# Allegro board HI3516ADMEB_VER_C_PCB.brd (continued)
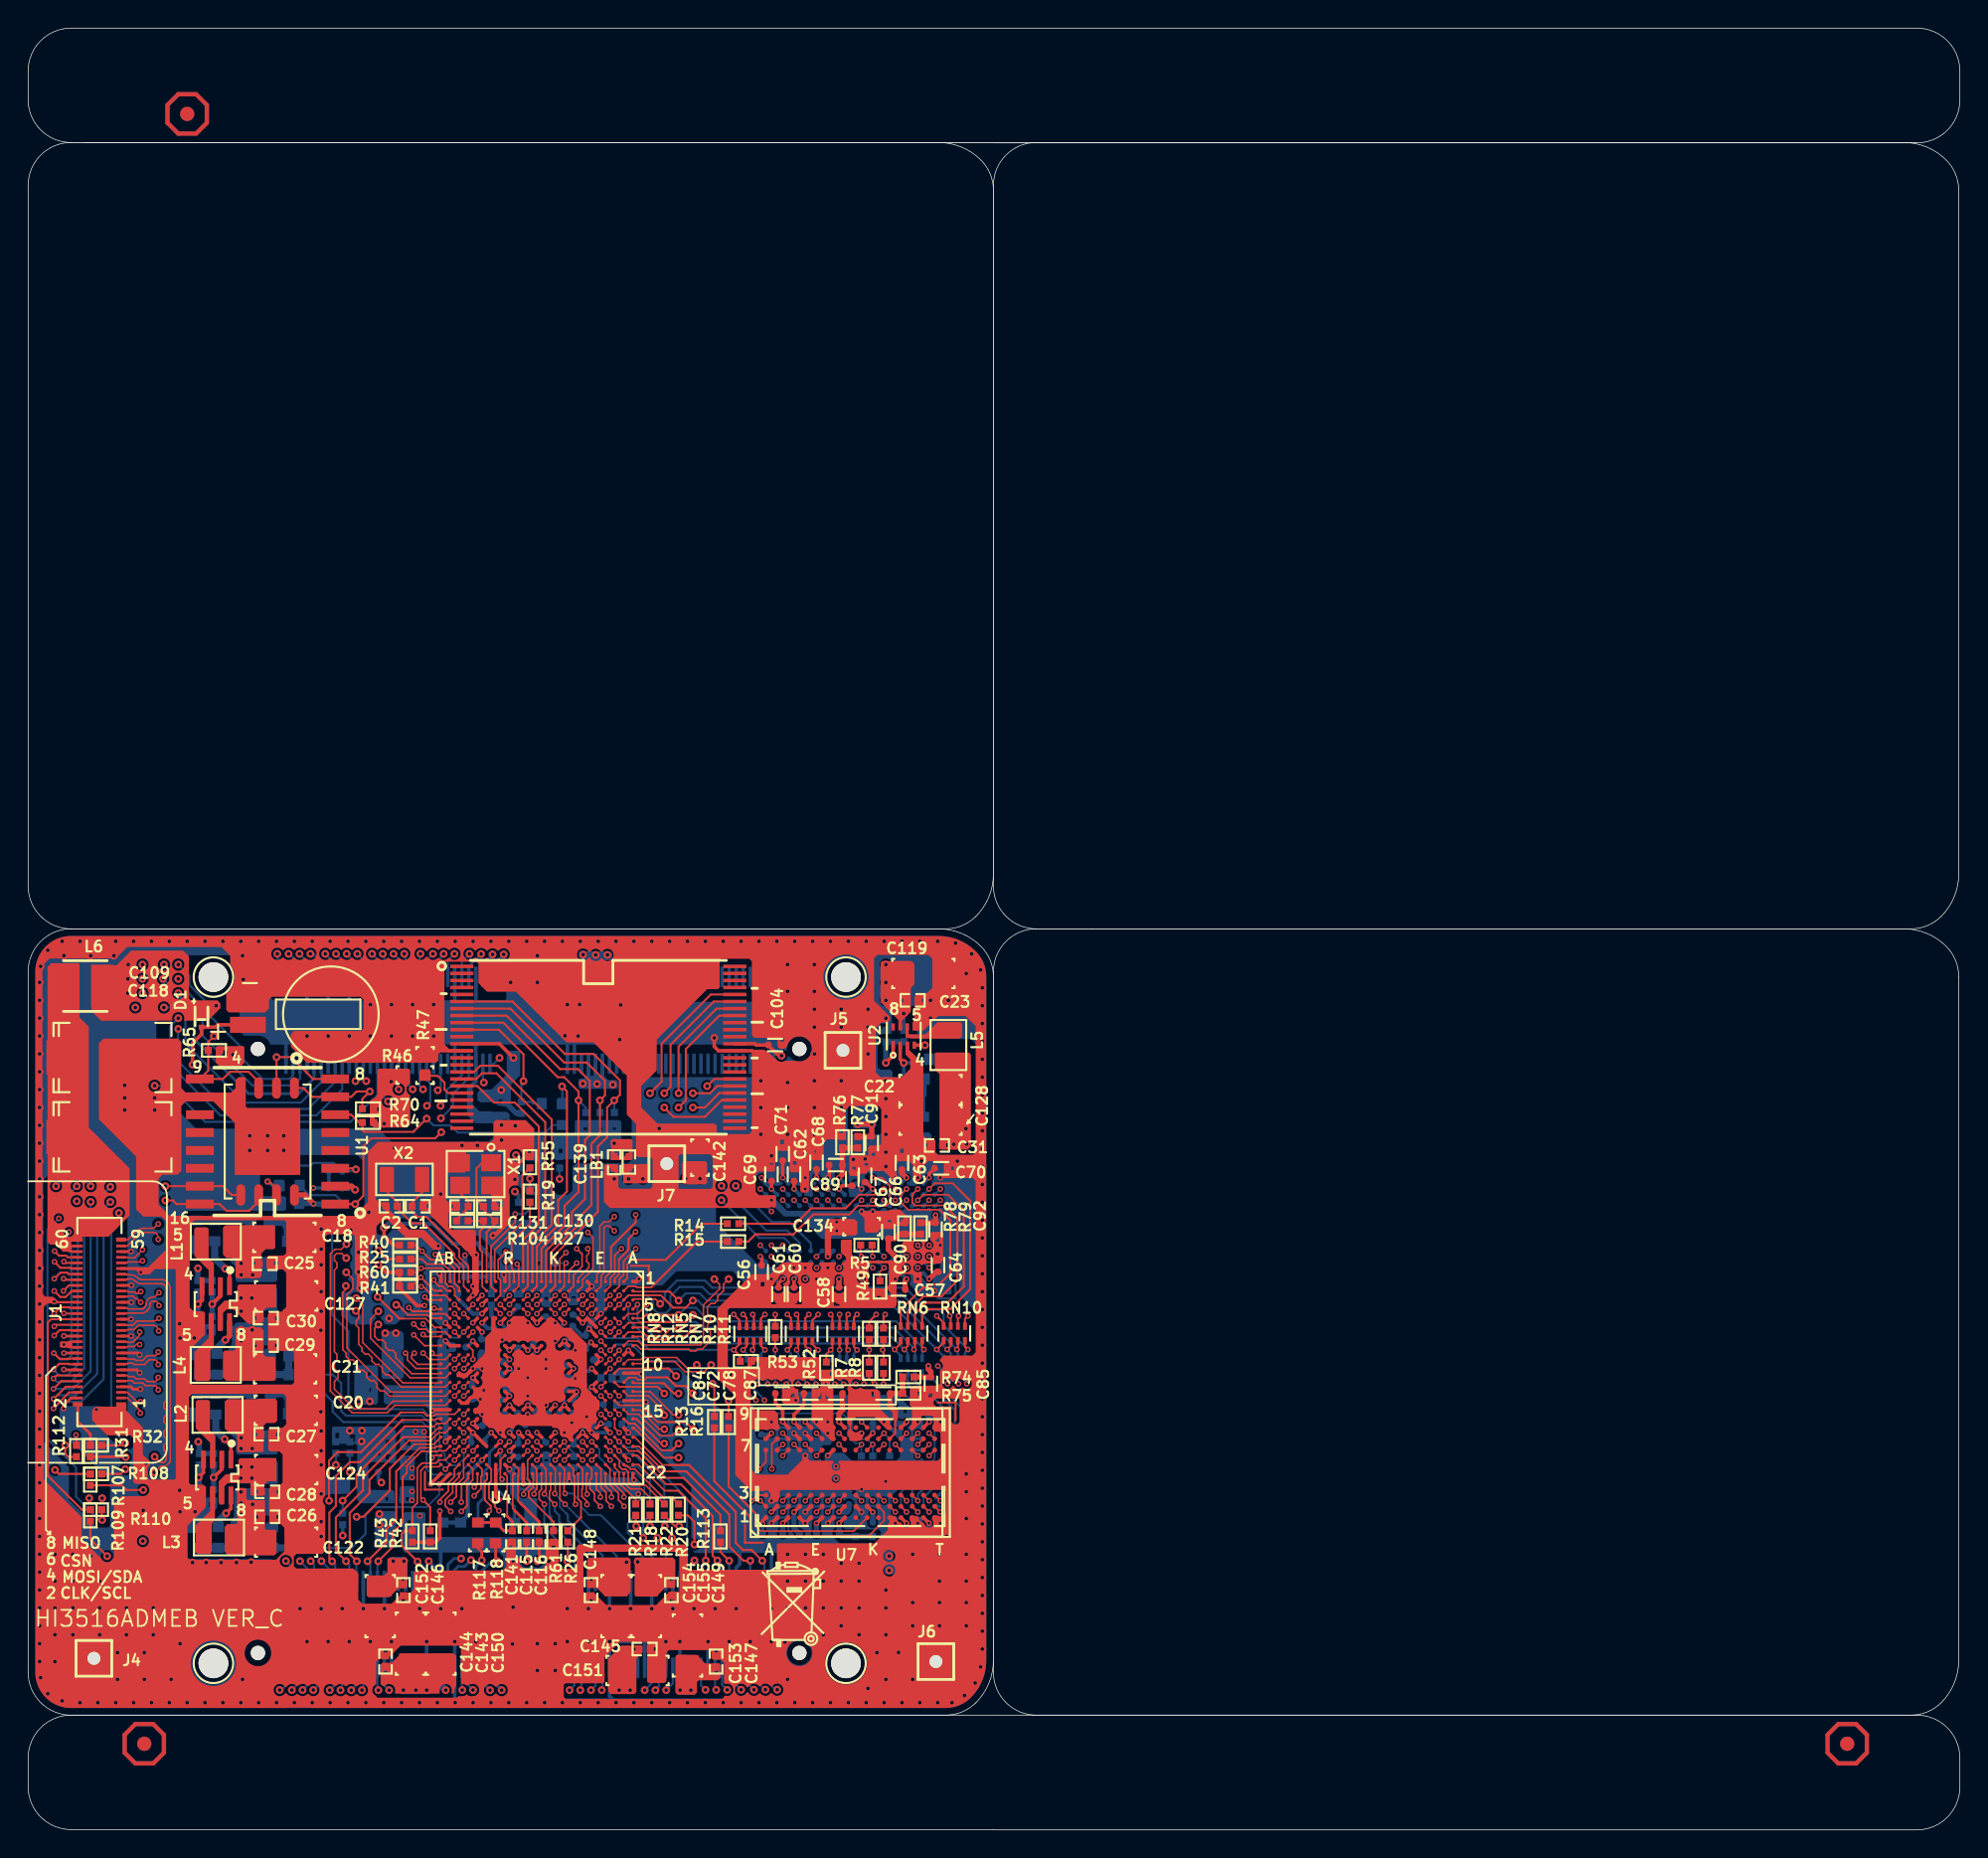
[diagram p0: board, top side]
## Routing (per net, layer and track width the routed paths; a pad name or vN(x,y) marks a point on that pad's centre or on a via; arc(x,y) is an arc through that point)
1V1_CPU_CORE: length 2.6
  TOP w0.254: U4.P8 v2(34.21,34.08) U4.R8 ; U4.R9 v2(34.21,33.43)
  BOTTOM w0.254: v2(34.21,33.43) 34.05,33.27 C13.1 ; C41.1 34.38,34.25 v2(34.21,34.08)
  vias: v1(15.14,35.53) v1(15.14,34.76) v1(15.93,35.53)
1V1_DDR_CORE: length 3.9
  TOP w0.254: U4.H10 v2(38.76,32.78) U4.H11 ; U4.H8 v2(38.11,34.73) U4.J8
  BOTTOM w0.254: C11.1 38.31,34.31 38.11,34.51 v2(38.11,34.73) 38.24,34.86 C39.1 ; C40.1 38.52,33.02 v2(38.76,32.78)
  vias: v1(15.14,40.26) v1(15.14,39.44) v1(15.95,39.44)
1V1_MEDIA_CORE: length 8.3
  TOP w0.254: U4.M15 v2(35.51,30.18) U4.N15 ; U4.J15 v2(38.11,30.18) U4.H15 ; U4.R13 v2(34.21,30.83) U4.R14
  BOTTOM w0.254: C10.1 33.64,30.55 33.93,30.55 v2(34.21,30.83) 34.21,31.15 C37.1 ; C38.1 37.81,29.88 v2(38.11,30.18) 38.11,30.47 37.59,30.99 C106.1 36.69,30.99 36.6,30.9 C46.1 36.16,30.83 v2(35.51,30.18)
  vias: v1(15.13,24.01) v1(15.13,23.23) v1(15.13,22.41) v1(15.95,23.14) v1(24.97,22.45) v1(24.97,21.69)
1V1_VDD_CORE: length 11.7
  TOP w0.254: v2(37.46,30.18) U4.K15 ; U4.M8 v2(36.16,34.08) U4.L8 ; U4.N8 v2(35.51,34.08) ; U4.R15 v2(34.21,30.18) U4.P15 ; U4.H13 38.82,31.16 38.84,31.14 v2(38.99,31.14) 38.91,31.06 38.91,30.98 U4.H14 ; U4.R10 v2(34.21,32.78) U4.R11
  BOTTOM w0.254: v2(36.16,34.08) 35.88,33.8 C36.1 ; C34.1 33.86,29.83 v2(34.21,30.18) 34.77,29.62 C33.1 ; v2(35.51,34.08) 35.9,34.48 C8.1 ; C9.1 33.81,32.39 v2(34.21,32.78) 34.74,32.25 C35.1 ; C7.1 38.87,31.26 v2(38.99,31.14) 38.99,31.14 38.99,30.82 38.95,30.82 C117.1 ; v2(37.46,30.18) 36.98,29.71 C47.1
  vias: v1(15.14,27.86) v1(15.14,27.1) v1(15.93,27.1) v1(23.49,30.43) v1(24.28,30.45)
1V5_1V35_DDRIO: length 77.7
  TOP w0.254: U7.K8 v2(60.03,28.19) ; v2(53.63,46.35) C71.1 ; C84.1 53.11,30.33 53.63,29.81 v2(53.63,28.99) U7.C9 ; v2(52.2,21.74) 52.2,21.96 U7.A1 ; C62.1 54.43,45.55 v2(54.43,45.55) ; v2(57.63,45.55) 57.87,45.78 C67.1 ; C61.1 53.33,38.84 v2(53.63,39.15) ; U7.F1 v2(56.03,21.79) ; U7.N1 v2(62.43,21.79) ; U7.R9 v2(64.03,28.99) ; U7.N9 v2(62.43,28.99) ; U7.C1 v2(53.63,21.79) ; U4.E6 40.31,35.78 40.31,35.8 40.04,36.07 40.03,36.07 U4.F5 v2(39.41,36.03) U4.G5 ; U7.D9 v2(54.43,28.99) 54.43,29.51 55.14,30.22 C72.1 ; U7.R1 v2(64.03,21.79) ; v2(52.03,40.75) 52.13,40.64 C56.1 ; U7.H2 v2(57.63,22.59) ; U7.K2 v2(60.03,22.59) ; U4.E9 v2(40.71,33.43) U4.E10 ; U7.D2 v2(54.43,22.59) ; U2.4 v1(63.74,55.76) ; v2(52.83,28.19) 52.43,27.79 U7.A8 ; v2(60.03,45.55) 59.54,46.03 C66.1 ; v2(56.03,46.35) C68.1 ; C70.1 64.03,46.62 v2(64.03,46.35) ; U7.E9 v2(55.23,28.99) ; C69.1 v2(52.83,45.55) ; C60.1 v2(54.43,39.15) ; U7.G7 v2(56.83,26.59) ; U7.H9 v2(57.63,28.99) ; U4.E12 v2(40.06,31.48) U4.E13 ; U7.B2 v2(52.83,22.59)
  TOP w0.381: C64.1 64.54,39.66 v2(64.03,39.15) ; v2(62.43,39.15) 62.33,39.05 C57.1 ; R74.1 C85.1 64.16,32.56 63.98,32.74 v2(63.98,32.97) ; v2(57.63,28.99) 57.63,29.59 57.87,29.83 C78.1 ; v1(58.95,50.15) v1(59.96,50.15) C91.1 R77.1 ; R79.1 63.93,43.15 63.94,43.14 C92.1 v2(64.49,43.69) ; v2(62.43,46.35) 62.1,46.67 C63.1 ; C58.1 v2(57.63,39.15)
  ART06 w0.254: v1(65.79,48.71) 63.74,50.76 v1(63.74,55.76)
  BOTTOM w0.254: U8.R9 v2(64.03,39.15) ; U8.K2 v2(60.03,45.55) ; C52.1 40.64,30.23 40.01,30.85 C51.1 39.71,31.14 v2(40.06,31.48) 40.71,32.13 C108.1 ; U8.N9 v2(62.43,39.15) ; C43.1 40.68,33.4 v2(40.71,33.43) ; U8.H9 v2(57.63,39.15) ; U8.C1 v2(53.63,46.35) ; C75.1 52.74,28.1 v2(52.83,28.19) ; U8.D9 v2(54.43,39.15) ; U8.C9 v2(53.63,39.15) ; U8.R1 v2(64.03,46.35) ; C42.1 38.83,36.61 v2(39.41,36.03) ; U8.E9 v2(55.23,39.15) ; C65.1 v2(52.2,21.74) ; U8.F1 v2(56.03,46.35) ; U8.N1 v2(62.43,46.35) ; U8.D2 v2(54.43,45.55) ; U8.A8 v2(52.03,40.75) ; U8.K8 v2(60.03,39.95) ; v1(65.79,48.71) 65.51,48.99 R28.2 ; U8.H2 v2(57.63,45.55) ; v2(52.12,46.35) 52.12,46.25 U8.A1 v2(52.83,45.55) U8.B2 ; U8.G7 v2(56.83,40.75)
  BOTTOM w0.381: C83.1 v2(60.03,28.19) ; v2(57.63,22.59) 58.19,22.59 58.33,22.73 C74.1 ; C77.1 54.43,21.46 v2(54.43,22.59) ; C73.1 62.43,21.18 v2(62.43,21.79) ; C80.1 v2(64.03,21.79) ; C81.1 v2(56.03,21.79) ; v2(62.43,28.99) 62.31,28.86 C79.1 ; C76.1 64.03,29.35 v2(64.03,28.99) ; C59.1 v2(53.63,21.79) ; C82.1 v2(60.03,22.59)
  vias: v1(46.74,46.28) v1(47.75,46.28) v1(61.2,19.45) v1(61.2,18.44) v1(66.65,49.83) v1(66.7,48.74) v2(57.47,43.2) v2(57.47,42.57) v2(57.42,25.83) v2(57.42,24.97)
1V8: length 1.4
  TOP w0.254: U4.L18 v2(36.16,28.23)
  BOTTOM w0.254: v2(36.16,28.23) 36.79,27.6 C102.1
  vias: v1(46.34,9.93) v1(47.1,9.93)
3V3: length 42.4
  TOP w0.254: v1(53.54,55.01) 53.37,55.01 53.24,55.14 53.21,55.14 52.62,55.74 C104.1 51.74,55.78 51.65,55.86 U9.37 ; U9.12 33.49,55.86 v1(34.49,54.86) ; U4.V17 v2(31.61,28.88) U4.V16 ; U4.V8 v2(31.61,34.73) ; 25.22,50.26 v1(25.3,50.19) ; v2(29.26,22.65) 29.26,20.75 28.96,20.44 R42.1 R43.1 ; U4.F18 v2(39.41,28.23) U4.G18 ; U4.M5 v2(36.16,36.03) U4.L5
  TOP w0.381: U3.8 19.66,45.12 v2(20.28,44.5) ; D1.2 v1(13.36,58.57) ; U1.2 22.99,45.74 v1(23.24,45.49) ; 25.58,50.24 25.57,50.24
  BOTTOM w0.254: R45.1 v1(62.23,58.01) ; v2(36.16,36.03) 36.62,36.49 C107.1 ; v2(31.61,28.88) 31.76,28.73 C50.1 ; J3.71 40.82,53.48 41.35,52.96 v1(41.55,52.96) ; v1(22.36,20.91) 22.36,20.94 22.35,20.94 R114.1 ; C98.1 31.19,34.31 v2(31.61,34.73) ; v1(34.59,45.36) 34.85,45.11 R54.1 ; v1(34.67,47.95) 34.85,47.77 R58.1 ; v1(40.44,53.01) 40.32,53.12 J3.69 ; J3.67 39.82,53.31 39.55,53.03 v1(39.42,53.03) ; C32.1 39.41,28.82 v2(39.41,28.23) 38.78,27.6 C49.1
  BOTTOM w0.381: v1(23.24,45.49) 23.11,45.62 C103.1 ; v1(12.09,27.58) 12.17,27.51 R1.1 R2.1 ; C105.1 33.97,51.65 34.7,50.92 R67.2 ; C137.1 20.13,44.52 20.15,44.5 v2(20.28,44.5) 20.31,44.47 R63.1 ; v1(12.07,39.9) R4.1 R3.1 ; v2(31.04,40.84) R116.2 30.66,40.13 30.62,40.09 LB4.1
  vias: v1(7.09,60.47) v1(7.09,59.46) v1(7.11,61.49) v1(15.13,37.79) v1(15.14,36.86) v1(15.11,25.8) v1(15.11,24.99) v1(15.89,37.79) v1(15.9,25.78) v1(15.9,24.99) v1(22.86,28.37) v1(23.72,28.37) v1(23.7,27.61) v1(25.8,53.17) v1(26.67,9.93) v1(27.56,9.93) v1(28.32,9.93) v1(33.62,52.58) v1(39.45,62.2) v1(40.34,62.18) v1(41.17,62.18) v1(41.66,48.79) v1(60.96,61.49) v1(60.96,60.22) v1(60.96,58.95)
3V3_1V8_RGMII_IO: length 4.4
  TOP w0.254: U4.E17 v2(40.71,28.88)
  BOTTOM w0.254: v1(42,9.93) 42.32,10.25 J2.77 ; v2(40.71,28.88) 40.76,28.83 C96.1 ; v1(42.79,9.93) 42.82,9.96 J2.79
AVDD11_PLL: length 1.2
  TOP w0.254: U4.R5 v2(33.56,36.03)
  BOTTOM w0.254: v2(33.56,36.03) 33.96,35.63 C95.1
  vias: v1(25.37,35.3) v1(26.14,35.3)
AVDD33_AC: length 1.3
  TOP w0.254: U4.N18 v2(34.86,28.23)
  BOTTOM w0.254: v2(34.86,28.23) 34.86,27.49 C16.1
  vias: v2(27.28,24.05) v2(27.28,23.42)
AVDD33_PLL: length 3.2
  TOP w0.254: U4.U5 v2(32.26,36.03)
  BOTTOM w0.305: v2(32.26,36.03) 32.64,35.65 C93.1 33.05,35.72 33.05,36.42 32.92,36.55 LB3.2
AVDD33_RTC: length 4.4
  TOP w0.254: U4.U4 v2(32.26,36.68)
  BOTTOM w0.305: LB4.2 30.1,38.99 30.57,38.52 C94.1 30.57,37.72 31.61,36.68 v2(32.26,36.68)
AVDD33_USB: length 1.3
  TOP w0.203: U4.T18 v2(32.91,28.23)
  BOTTOM w0.254: C101.1 32.44,27.76 v2(32.91,28.23)
  vias: v2(27.53,28.29) v2(28.14,28.29)
AVDD33_VDAC: length 1.1
  TOP w0.254: U4.P18 v2(34.21,28.23)
  BOTTOM w0.254: C17.1 34.38,28.4 v2(34.21,28.23)
  vias: v2(27.28,25.7) v2(27.28,25.04)
AVDD_BAT: length 40.6
  TOP w0.254: U4.U3 v2(32.26,37.33) ; U13.1 13.47,57.21 13.31,57.05 12.32,57.05 12.32,56.54 11.68,55.9 v1(11.68,54.38)
  ART06 w0.254: v2(32.26,37.33) 32.97,38.04 32.97,41.7 32.61,42.06 32.61,42.42 32.87,42.67 32.87,45.24 25.81,52.3 24.99,52.3 24.54,51.84 22.76,51.84 21.08,53.52 12.55,53.52 v1(11.68,54.38)
AVDD_DDRPLL: length 3.5
  TOP w0.254: U4.E11 v2(40.06,32.78) ; U4.J5 v2(38.11,36.03) ; U4.E8 40.24,34.41 v2(40.01,34.64)
  BOTTOM w0.254: C45.1 39.62,34.25 v2(40.01,34.64) ; v2(38.11,36.03) 37.77,35.69 C55.1 ; v2(40.06,32.78) 39.88,32.6 C54.1
  vias: v1(42.67,46.26) v1(43.69,46.26)
DVDD3318_SENSOR: length 29.2
  TOP w0.254: v1(25.29,42.79) 25.29,42.22 25.96,41.55 R40.1 ; U4.V12 v2(31.61,32.13) U4.V11 ; v1(24.89,40.15) 25.43,39.62 R60.1 R41.1 26.39,38.5 27.63,37.26 v2(28.17,37.26) ; U4.V6 v2(32.26,35.38)
  ART03 w0.254: v2(28.17,37.26) 28.17,37.26 28.17,36.75 28.6,36.32 28.6,35.79 29.23,35.16 29.23,33.23 30.32,32.13 v2(31.61,32.13)
  ART03 w0.381: v1(24.89,40.15) 25.49,40.75 25.49,42.59 v1(25.29,42.79)
  BOTTOM w0.254: C100.1 32.22,35.35 v2(32.26,35.38)
  BOTTOM w0.305: v1(25.29,42.79) 25.57,43.08 28.78,43.08 30.18,41.68 31.9,41.68 32.92,40.66 R115.2 ; C99.1 31.56,32.08 v2(31.61,32.13)
  vias: v1(25.95,19.1) v1(26.71,19.1)
GND: length 240.7
  TOP w0.152: v2(1.87,41.13) 2.19,40.81 2.7,40.81 2.82,40.69 J1.54
  TOP w0.203: J1.55 7.29,41.09 7.29,41.09 v2(7.32,41.09) ; J1.37 7.34,37.49 v2(7.34,37.49) ; v2(2.51,29.94) 2.51,30.16 3.05,30.69 J1.4 ; J1.43 7.32,38.69 v2(7.34,38.71) ; v2(7.32,36.29) 7.21,36.29 7.21,36.29 J1.31 ; v2(7.92,33.75) 7.79,33.89 J1.19 ; J1.14 2.56,32.69 v2(2.53,32.72) ; J1.13 7.72,32.69 7.92,32.49 v2(7.92,32.48) ; v2(7.98,31.32) 7.47,31.32 7.29,31.49 J1.7 ; J1.49 7.76,39.89 7.98,39.67 7.98,39.65 v2(8,39.62) ; v2(2.54,33.88) 2.55,33.89 J1.20 ; v2(7.32,35.09) 7.21,35.09 7.21,35.09 J1.25 ; U4.B14 U4.A14 43.81,30.51 v2(43.92,30.4) ; J1.26 2.55,35.09 v2(2.54,35.1)
  TOP w0.254: U4.N21 U4.N22 35.18,24.63 v2(35.22,24.6) ; U7.J8 v2(59.23,28.19) ; v2(43.57,32.4) 43.57,32.39 43.5,32.46 U4.A11 U4.B11 ; v1(28.82,56.41) 29.87,55.36 U9.13 ; U4.D17 v2(41.36,28.23) ; v2(39.85,35.61) 39.87,35.61 40.25,35.23 40.25,35.19 40.38,35.06 U4.E7 ; U4.AA6 v2(29.66,36.03) ; U4.R1 33.88,39.37 33.81,39.45 v2(33.81,39.45) ; v2(43.41,39.15) 43.21,38.96 U4.A1 ; U7.E2 v2(55.23,22.59) ; U7.E1 v2(55.23,21.79) U7.D1 ; v2(28.61,24.58) 29.33,25.31 U4.AB22 ; U4.AB1 29.33,39.45 v2(29.23,39.55) ; U7.G9 v2(56.83,28.99) ; U4.B17 v2(42.66,28.23) ; v2(29.66,27.58) U4.AA18 ; U4.V5 v2(31.61,36.03) ; U4.A9 v2(42.66,34.08) U4.B9 ; U4.F1 v2(40.06,38.63) U4.F2 ; v2(29.66,34.73) U4.AA8 U4.Y8 ; U7.B1 v2(52.83,21.79) ; U4.A22 42.98,24.95 v2(43.07,24.86) ; U7.T9 v2(64.83,28.99) ; U7.M9 v2(60.83,28.99) ; U4.H22 38.43,24.78 v2(38.46,24.75) ; U7.D8 v2(54.43,28.19) ; v2(31.61,32.78) U4.W11 ; U7.P9 v2(63.23,28.99) ; U7.F9 v2(56.03,28.99) ; U7.B9 v2(52.83,28.99) 52.43,28.59 U7.A9 ; v2(28.7,29.79) 28.77,29.86 U4.AB15 U4.AA15 ; U4.B20 v2(42.66,26.28) ; v2(56.83,46.35) 56.93,46.45 C89.2 ; U4.W3 v2(31.61,37.98) ; v1(48.77,56.28) 48.77,55.66 49.07,55.36 U9.36 51.44,55.36 51.56,55.24 ; U4.T21 U4.T22 33.23,23.68 v2(33.45,23.46) ; U7.B3 v2(52.83,23.39) ; U4.W17 v2(31.61,28.23) U4.V18 U4.U19 ; U4.Y14 30.82,30.33 31.1,30.33 U4.W14 ; U7.G8 v2(56.83,28.19) ; U7.G1 v2(56.83,21.79) ; U4.P20 v2(34.21,26.28) ; U4.P19 v2(34.21,26.93) ; U7.E8 v2(55.23,28.19) ; U4.V1 v2(31.61,38.63) U4.V2 ; U4.E5 v2(40.71,36.68) ; U7.J2 v2(59.23,22.59)
  BOTTOM w0.254: v2(38.89,34.08) 39.22,33.75 C43.2 ; v2(31.85,40.87) 31.85,40.38 C15.2 ; C117.2 38.7,28.98 v2(38.65,28.93) 38.65,28.94 38.58,28.88 37.95,28.88 C38.2 37.81,28.53 v2(38.11,28.23) 38.21,28.34 C49.2 ; 17.53,11.52 J2.1 18.32,13.35 ; 17.21,60.61 J3.2 18.32,58.86 ; v1(28.82,56.41) 28.82,56.41 J3.43 ; 17.63,17.69 J2.2 18.32,15.94 ; J2.55 v1(31.82,13.38) ; U8.M9 v2(61.63,39.15) ; U8.F9 v2(56.03,39.15) ; J3.75 41.82,55.94 v1(42.04,56.16) 42.32,55.87 J3.77 ; v1(24.32,56.41) 24.32,56.41 J3.25 ; v1(51.32,13.38) 51.32,11.52 J2.113 ; v1(39.19,58.65) 39.19,58.7 38.82,59.07 J3.64 ; v1(22.32,15.72) J2.18 ; J3.8 19.82,58.86 ; C7.2 38.77,32.2 v2(38.89,32.08) 39.3,31.66 C54.2 ; J3.49 30.32,56.41 ; C55.2 36.83,35.41 v2(37.46,36.03) ; v1(27.32,56.41) 27.32,56.41 J3.37 ; v1(27.82,15.72) J2.40 ; U8.E8 v2(55.23,39.95) ; J3.19 22.82,56.41 v1(22.82,56.41) ; C11.2 37.37,34.64 v2(37.46,34.73) ; v2(35.51,29.53) 35.32,29.34 C17.2 ; v1(38.32,58.65) 38.32,58.65 J3.62 37.48,60.61 37.47,60.62 ; J3.1 18.32,56.19 ; J3.20 22.82,58.86 ; v2(41.36,28.23) v2(40.06,28.23) 40.06,28.5 40.18,28.63 C32.2 40.08,28.98 v2(39.7,29.36) 39.71,29.37 C51.2 ; v1(25.32,15.72) J2.30 ; J2.19 v1(22.82,13.38) ; v1(23.82,15.72) J2.24 ; J3.63 38.82,56.14 v1(39.09,56.41) ; J3.7 19.82,56.41 v1(19.82,56.41) ; C41.2 34.8,32.84 v2(34.86,32.78) ; R30.2 29.32,20.23 J2.46 v1(29.32,15.72) ; C9.2 32.66,32.39 v2(32.26,32.78) ; J2.120 52.82,15.72 v1(52.82,15.72) ; J2.120 53.96,17.69 v1(53.98,17.68) ; J2.120 52.82,19.73 52.82,19.73 ; J2.107 49.82,11.52 v1(49.82,13.38) ; v1(45.82,15.72) 45.82,17.69 J2.92 ; J2.74 41.32,15.72 v1(41.32,15.72) ; 50.58,19.74 50.58,18.89 50.32,18.64 J2.110 50.32,17.69 v1(50.32,15.72) ; v1(42.82,15.72) 42.82,17.69 J2.80 ; v2(35.51,32.13) 35.88,32.5 C36.2 ; v1(24,9.04) 24.32,9.36 J2.25 ; v1(44.32,15.72) 44.32,15.72 J2.86 ; C101.2 31.5,28.12 v2(31.61,28.23) ; v1(37.46,11.33) 37.66,11.52 J2.61 38.32,13.38 v1(38.32,13.38) ; v1(47.32,15.72) 47.32,17.69 J2.98 ; v1(30.35,9.04) 30.32,9.07 J2.49 v1(30.32,13.38) ; J3.61 38.32,56.26 v1(38.15,56.44) ; C93.2 33.58,34.71 v2(33.7,34.83) ; J2.67 39.82,13.38 v1(39.82,13.38) ; v1(52.82,13.38) 52.82,11.52 J2.119 53.88,11.52 53.89,11.52 ; v2(34.21,26.93) 34.64,26.51 C16.2 ; J2.68 39.82,15.72 v1(39.82,15.72) ; C99.2 32.12,30.6 v2(32.13,30.6) ; J2.7 v1(19.82,13.38) ; 43.82,13.38 43.82,11.52 J2.83 ; v2(36.81,30.18) 36.41,30.18 36.04,29.82 C47.2 ; v2(39.85,35.61) 39.62,35.37 C45.2 39.38,35.12 C39.2 ; J3.13 21.32,56.41 v1(21.32,56.41) ; v2(32.26,32.78) v2(31.61,32.78) 32.06,33.23 32.06,33.76 C100.2 ; v2(32.26,32.78) 32.75,33.27 C13.2 ; C50.2 33.24,28.55 v2(33.56,28.23) ; C106.2 37.23,32.37 v2(36.81,32.78) 36.16,32.13 C46.2 ; v2(32.26,29.53) 32.34,29.62 C34.2 ; U8.P9 v2(63.23,39.15) ; v2(20.27,45.62) C103.2 C129.2 ; 30.32,58.86 J3.50 ; v1(28.82,58.65) J3.44 ; J3.14 21.32,58.86 ; v1(25.11,24.69) 24.89,24.9 C44.2 ; J2.31 v1(25.82,13.38) ; 37.34,17.69 J2.62 38.32,15.72 v1(38.32,15.72) ; C40.2 37.22,33.02 v2(36.81,33.43) ; C33.2 35.23,30.56 v2(35.51,30.83) 35.03,31.31 C35.2 ; v1(46.32,13.38) 46.32,11.52 J2.93 ; J2.101 48.32,11.52 v1(48.32,13.38) ; J2.104 48.82,17.69 v1(48.82,15.72) ; J3.76 41.82,58.91 v1(42.11,58.62) 42.32,58.83 J3.78 ; 31.82,58.86 J3.56 ; v1(24.32,58.65) J3.26 ; J2.13 v1(21.32,13.38) ; C10.2 32.71,30.57 32.71,30.92 v2(32.38,31.24) 32.62,31.47 C37.2 ; v1(20.82,15.72) J2.12 ; v1(25.82,58.65) J3.32 ; v1(19.32,15.72) J2.6 ; v1(25.82,56.41) 25.82,56.41 J3.31 ; v1(27.32,58.65) J3.38 ; U8.G9 v2(56.83,39.15) ; J2.41 v1(28.32,13.38) ; v1(41.32,13.38) 41.32,11.52 J2.73 41.32,9.5 v1(41.78,9.04) ; U8.D8 v2(54.43,39.95) ; v1(30.82,15.72) J2.52 ; C8.2 35.9,35.64 v2(35.51,36.03) 34.91,35.43 C95.2 ; U8.G8 v2(56.83,39.95) ; v1(45.32,13.38) 45.32,11.52 J2.89 ; U8.J8 v2(59.23,39.95)
  vias: v1(0.89,61.36) v1(0.82,60.23) v1(0.82,58.96) v1(0.82,57.69) v1(0.82,56.42) v1(0.82,55.15) v1(0.82,53.88) v1(0.82,52.61) v1(0.82,51.34) v1(0.82,50.07) v1(0.82,48.8) v1(0.82,47.53) v1(0.82,46.26) v1(0.82,44.99) v1(0.82,43.72) v1(0.82,42.45) v1(0.82,41.18) v1(0.82,39.91) v1(0.82,38.64) v1(0.82,37.37) v1(0.82,36.1) v1(0.82,34.83) v1(0.82,33.56) v1(0.82,32.29) v1(0.82,31.02) v1(0.82,29.75) v1(0.82,28.48) v1(0.82,27.21) v1(0.82,25.94) v1(0.82,24.67) v1(0.82,23.4) v1(0.82,22.13) v1(0.82,20.86) v1(0.82,19.59) v1(0.82,18.32) v1(0.82,17.05) v1(0.82,15.78) v1(0.82,14.51) v1(0.82,13.24) v1(0.82,11.97) v1(0.89,10.82) v1(1.4,62.51) v1(1.4,9.67) v1(1.91,19.58) v1(1.91,17.68) v1(1.91,15.77) v1(1.91,13.87) v1(1.91,11.96) v1(2.41,63.14) v1(2.41,9.17) v1(2.54,62.13) v1(3.17,19.58) v1(3.17,17.68) v1(3.17,15.77) v1(3.17,13.87) v1(3.68,63.14) v1(3.68,9.04) v1(4.45,62.13) v1(4.45,19.45) v1(4.95,63.14) v1(4.95,9.04) v1(5.08,17.68) v1(5.08,15.77) v1(5.08,13.87) v1(6.1,62.13) v1(6.22,63.14) v1(6.22,9.04) v1(6.35,12.6) v1(6.35,10.69) v1(6.86,52.91) v1(6.86,52.02) v1(6.86,51.15) v1(6.99,17.68) v1(6.99,15.77) v1(6.99,13.87) v1(7.49,63.14) v1(7.49,9.04) v1(8.18,22.71) v1(8.25,12.6) v1(8.25,10.69) v1(8.38,26.06) v1(8.76,63.14) v1(8.76,9.04) v1(8.89,15.77) v1(8.89,13.87) v1(8.99,52.02) v1(8.99,51.15) v1(10.03,63.14) v1(10.03,9.04) v1(10.16,10.69) v1(10.77,35.96) v1(10.77,24.13) v1(10.8,34.95) v1(10.8,22.6) v1(10.8,13.23) v1(11.3,63.14) v1(11.3,9.04) v1(11.68,19) v1(11.81,34.95) v1(11.86,22.6) v1(12.57,63.14) v1(12.57,9.04) v1(12.65,19) v1(13.72,19) v1(13.84,63.14) v1(13.84,9.04) v1(14.55,55.09) v1(14.81,19) v1(15.11,63.14) v1(15.11,9.04) v1(15.24,62.13) v1(15.24,10.69) v1(15.29,60.43) v1(15.75,49.32) v1(15.75,48.28) v1(15.85,19.02) v1(16.38,63.14) v1(16.38,9.04) v1(17.02,49.32) v1(17.02,48.28) v1(17.65,63.14) v1(17.65,9.04) v1(18.16,49.32) v1(18.16,48.28) v1(18.92,63.14) v1(18.92,9.04) v1(20.19,63.14) v1(20.19,9.04) v1(20.83,42.69) v1(20.83,41.27) v1(20.83,40.15) v1(20.83,38.25) v1(20.83,36.85) v1(20.8,35.51) v1(20.8,29.72) v1(20.83,28.34) v1(20.83,26.95) v1(20.83,25.93) v1(20.83,23.87) v1(20.83,21.9) v1(20.83,20.85) v1(21.46,63.14) v1(21.46,9.04) v1(22.73,63.14) v1(22.73,9.04) v1(22.94,42.62) v1(23.49,41.04) v1(23.49,39.65) v1(23.62,38.5) v1(24,63.14) v1(24.21,43.89) v1(24.32,13.38) v1(25.27,63.14) v1(25.27,9.04) v1(25.65,36.34) v1(26.04,48.46) v1(26.54,63.14) v1(26.54,9.04) v1(26.75,47.75) v1(27.81,63.14) v1(27.81,9.04) v1(29.08,63.14) v1(29.08,9.04) v1(29.32,45.18) v1(30.35,63.14) v1(30.84,48.64) v1(31.62,63.14) v1(31.62,9.04) v1(31.93,48.64) v1(32.89,63.14) v1(32.89,9.04) v1(33.64,50.09) v1(33.64,49.02) v1(34.16,63.14) v1(34.16,9.04) v1(34.29,60.22) v1(34.47,19.12) v1(34.47,15.82) v1(34.42,13.21) v1(34.62,50.04) v1(34.59,46.23) v1(35.43,63.14) v1(35.43,9.04) v1(36.2,62.13) v1(36.2,60.22) v1(36.2,13.23) v1(36.2,11.33) v1(36.7,63.14) v1(36.7,9.04) v1(37.01,19.1) v1(37.46,13.23) v1(37.97,63.14) v1(37.97,9.04) v1(39.24,63.14) v1(39.24,9.04) v1(40.51,63.14) v1(40.51,9.04) v1(41.66,46.26) v1(41.78,63.14) v1(43.05,63.14) v1(43.05,9.04) v1(44.32,63.14) v1(44.32,9.04) v1(44.86,49.84) v1(45.59,63.14) v1(45.59,9.04) v1(46.86,63.14) v1(46.86,9.04) v1(48.13,63.14) v1(48.13,9.04) v1(49.4,63.14) v1(49.4,9.04) v1(49.91,32.38) v1(50.67,63.14) v1(50.67,9.04) v1(51.94,63.14) v1(51.94,9.04) v1(52.07,53.24) v1(52.07,51.33) v1(52.07,49.43) v1(52.83,47.9) v1(53.21,63.14) v1(53.21,9.04) v1(53.79,13.35) v1(53.98,61.49) v1(53.98,59.59) v1(53.98,53.11) v1(53.98,51.33) v1(53.98,49.43) v1(53.98,19.58) v1(53.98,15.77) v1(53.98,10.69) v1(54.48,63.14) v1(54.48,48.03) v1(54.48,9.04) v1(55.24,48.03) v1(55.24,19.58) v1(55.24,17.68) v1(55.24,15.77) v1(55.75,63.14) v1(55.75,9.04) v1(55.88,61.49) v1(55.88,59.59) v1(55.88,58.32) v1(55.88,57.05) v1(55.88,55.14) v1(55.88,53.24) v1(55.88,51.33) v1(55.88,49.43) v1(56.52,19.58) v1(56.52,17.68) v1(56.52,15.77) v1(56.52,13.87) v1(57.02,63.14) v1(57.02,9.04) v1(57.78,58.32) v1(57.78,57.05) v1(57.78,53.24) v1(57.78,51.33) v1(57.78,18.95) v1(57.78,17.68) v1(57.78,15.77) v1(57.78,14.5) v1(58.29,63.14) v1(58.29,9.04) v1(58.65,47.65) v1(59.05,18.95) v1(59.05,17.68) v1(59.05,15.77) v1(59.05,13.87) v1(59.49,47.67) v1(59.56,63.14) v1(59.56,9.04) v1(59.69,58.32) v1(59.69,57.05) v1(59.69,55.14) v1(59.69,10.06) v1(60.32,12.6) v1(60.83,63.14) v1(60.83,9.04) v1(60.96,57.68) v1(60.96,53.24) v1(60.96,51.97) v1(60.96,50.7) v1(60.96,49.43) v1(60.96,48.16) v1(60.96,47.14) v1(60.96,17.04) v1(60.96,15.77) v1(60.96,13.87) v1(60.96,10.69) v1(61.86,12.61) v1(62.1,63.14) v1(62.1,9.04) v1(62.87,19.58) v1(62.87,16.15) v1(62.87,14.5) v1(62.87,10.69) v1(63.37,63.14) v1(63.37,9.04) v1(63.5,47.52) v1(64.14,58.95) v1(64.14,57.68) v1(64.64,63.14) v1(64.64,9.04) v1(64.77,19.58) v1(64.77,17.68) v1(64.77,16.15) v1(64.77,14.5) v1(65.28,20.85) v1(65.41,58.95) v1(65.66,9.04) v1(65.91,63.01) v1(66.04,47.52) v1(66.55,9.55) v1(66.68,60.86) v1(66.68,58.95) v1(66.68,25.3) v1(66.68,24.03) v1(66.68,22.12) v1(66.68,19.58) v1(66.68,17.68) v1(66.68,16.15) v1(66.68,14.5) v1(67.06,62.25) v1(67.31,10.44) v1(67.69,61.11) v1(67.69,11.58) v1(67.82,59.84) v1(67.82,58.57) v1(67.82,57.3) v1(67.82,56.03) v1(67.82,54.76) v1(67.82,53.49) v1(67.82,52.22) v1(67.82,50.95) v1(67.82,49.68) v1(67.82,48.41) v1(67.82,47.14) v1(67.82,45.87) v1(67.82,44.6) v1(67.82,43.33) v1(67.82,42.06) v1(67.82,40.79) v1(67.82,39.52) v1(67.82,38.25) v1(67.82,36.98) v1(67.82,35.71) v1(67.82,34.44) v1(67.82,33.17) v1(67.82,31.9) v1(67.82,30.63) v1(67.82,29.36) v1(67.82,28.09) v1(67.82,26.82) v1(67.82,25.55) v1(67.82,24.28) v1(67.82,23.01) v1(67.82,21.74) v1(67.82,20.47) v1(67.82,19.2) v1(67.82,17.93) v1(67.82,16.66) v1(67.82,15.39) v1(67.82,14.12) v1(67.82,12.85) v2(1.85,37.54) v2(4.85,29.87) v2(27.84,22.32) v2(29.15,41.5) v2(33.05,42.24) v2(34.21,36.03) v2(43.36,23.87) v2(52.83,44.75) v2(52.83,39.15) v2(54.56,30.53) v2(55.23,46.35) v2(55.23,45.55) v2(55.23,26.59) v2(56.69,31.67) v2(59.23,45.55) v2(59.23,43.95) v2(59.23,24.19) v2(60.03,43.95) v2(60.95,24.77) v2(61.63,46.35) v2(61.63,21.79) v2(63.23,46.35) v2(63.23,21.79) v2(64.41,38.33) v2(64.83,46.35) v2(64.83,41.55) v2(64.83,21.79)
AC_LINEL: length 13.4
  TOP w0.203: C115.2 v1(35.43,19.1)
  ART06 w0.203: v1(32.83,9.93) 32.83,9.97 35.03,12.16 35.03,18.69 v1(35.43,19.1)
  BOTTOM w0.203: v1(32.83,9.93) 32.32,10.44 J2.57
AC_LINER: length 13.6
  TOP w0.203: C116.2 36.32,19.23 v1(36.2,19.1)
  ART06 w0.203: v1(33.66,9.93) 35.64,11.91 35.64,18.36 36.2,18.92 v1(36.2,19.1)
  BOTTOM w0.203: v1(33.66,9.93) 32.82,10.76 J2.59
AC_MICBIAS: length 7
  TOP w0.127: U4.R22 34.04,25.15 34.04,22.29 34.06,22.27
  TOP w0.203: R117.1 R118.1 33.81,21.26 C141.1 34.42,21.92 34.06,22.27
AC_MICBIAS_L: length 3.3
  TOP w0.203: R118.2 33.22,19.18 v1(33.31,19.1)
  BOTTOM w0.203: v1(33.31,19.1) 32.95,19.1 32.32,18.47 J2.58
AC_MICBIAS_R: length 3
  TOP w0.203: v1(32.24,19.16) 32.24,19.76 31.95,20.04 R117.2
  BOTTOM w0.203: v1(32.24,19.16) 31.82,18.74 J2.56
AC_OUTL: length 12.6
  TOP w0.203: U4.R19 v2(34.21,27.58)
  ART06 w0.203: v2(34.21,27.58) 34.62,27.17 34.62,25.47 34.08,24.93 34.08,24.73 32.36,23.01 32.36,21.07 31.47,20.18 v1(31.47,19.17)
  BOTTOM w0.203: J2.50 30.32,18.47 30.57,18.72 31.01,18.72 v1(31.47,19.17)
AC_OUTR: length 11.1
  TOP w0.127: U4.R20 33.57,26.29 33.57,25.02 v2(33.67,24.91)
  ART06 w0.203: v1(30.77,19.28) 30.77,20.34 31.74,21.31 31.74,23.21 33.44,24.91 v2(33.67,24.91)
  BOTTOM w0.203: J2.48 29.82,18.84 30.26,19.28 v1(30.77,19.28)
AC_VREF: length 0.5
  TOP w0.254: U4.R21 v2(34.21,25.63)
AK7756_RSTN: length 23.6
  TOP w0.127: U4.AA3 29.65,37.99 28.71,37.99 28.09,38.61 v2(27.94,38.61)
  ART03 w0.127: v2(27.94,38.61) 27.43,39.11 27.43,42.47 24.56,45.34 24.56,47.72 25.78,48.94 27.71,48.94 v1(29.34,50.57)
  BOTTOM w0.152: J3.53 31.32,53.44 30.19,52.31 30.19,51.42 v1(29.34,50.57)
DC_IRIS_PWM: length 49.5
  TOP w0.127: U4.AB20 28.87,26.61 v2(28.7,26.44)
  ART03 w0.127: v2(28.7,26.44) 27.15,27.99 27.15,29.13 21.97,34.31 21.97,35.05 20.32,36.7 20.32,43.74 19.84,44.22 19.84,50.6 23.95,54.71 28.52,54.71 31.04,57.22 31.04,61.92 v1(31.37,62.25)
  BOTTOM w0.152: J3.52 30.82,61.71 v1(31.37,62.25)
DDR3_1_A0: length 20.3
  TOP w0.127: U7.N3 v2(62.43,23.39)
  ART06 w0.127: v2(62.43,23.39) 62.83,22.99 62.83,22.44 63.07,22.2 65.1,22.2 65.66,22.76 65.66,29.31 62.79,32.18 59.9,32.18 v2(59.42,31.7)
  BOTTOM w0.152: v2(59.42,31.7) 59.42,32.1 59.07,32.45 RN1.5
DDR3_1_A1: length 13.2
  TOP w0.127: U7.P7 v2(63.23,26.59)
  ART06 w0.127: v2(53.88,31.68) 54.07,31.68 56.44,29.31 56.44,28.8 56.64,28.6 60.98,28.6 62.99,26.59 v2(63.23,26.59)
  BOTTOM w0.152: RN3.8 54.22,32.01 v2(53.88,31.68)
DDR3_1_A2: length 12.3
  TOP w0.127: U7.P3 v2(63.23,23.39)
  BOTTOM w0.152: v2(63.23,23.39) 63.23,23.84 65.86,26.47 65.86,29.83 64.28,31.42 63.54,31.42 63.03,31.93 RN2.6
DDR3_1_A3: length 13.3
  TOP w0.127: U7.N2 v2(62.43,22.59)
  BOTTOM w0.127: 64.43,29.76 64.43,26.37 62.04,23.98 62.04,22.98 v2(62.43,22.59)
  BOTTOM w0.152: RN2.8 62.01,31.24 62.8,30.45 63.95,30.45 64.43,29.97 64.43,29.76
DDR3_1_A4: length 6.6
  TOP w0.127: U7.P8 v2(63.23,28.19)
  TOP w0.152: v2(60.16,31.7) 59.78,32.08 R7.2
  ART03 w0.127: v2(63.23,28.19) 62.84,28.58 62.84,29.72 61.32,31.24 60.62,31.24 v2(60.16,31.7)
DDR3_1_A5: length 13.3
  TOP w0.127: U7.P2 v2(63.23,22.59)
  BOTTOM w0.127: 62.84,23.62 62.84,22.98 v2(63.23,22.59)
  BOTTOM w0.152: 62.84,23.62 62.84,24.11 65.33,26.61 65.33,29.72 64.09,30.96 63.22,30.96 62.52,31.66 RN2.7
DDR3_1_A6: length 12.1
  TOP w0.127: U7.R8 v2(63.23,27.39)
  ART06 w0.127: v2(63.23,27.39) 62.7,27.39 62,28.09 62,28.98 61.32,29.66 56.74,29.66 v2(54.73,31.68)
  BOTTOM w0.152: v2(54.73,31.68) 54.73,31.74 54.72,31.75 RN3.7
DDR3_1_A7: length 13.1
  TOP w0.127: U7.R2 v2(64.03,22.59)
  BOTTOM w0.127: v2(64.03,22.59) 63.64,22.98 63.64,23.6 63.86,23.82
  BOTTOM w0.152: RN2.5 63.54,32.34 63.87,32.01 64.33,32.01 66.32,30.02 66.32,26.28 63.86,23.82
DDR3_1_A8: length 6.6
  TOP w0.127: U7.T8 v2(64.03,28.19)
  TOP w0.152: R8.2 v2(60.79,31.7)
  ART03 w0.127: v2(64.03,28.19) 63.62,28.6 63.62,29.55 61.48,31.7 v2(60.79,31.7)
DDR3_1_A9: length 15.3
  TOP w0.127: U7.R3 v2(64.03,23.39)
  ART06 w0.127: v2(64.03,23.39) 64.87,24.23 64.87,28.43 64.43,28.87 64.43,29.16 62.77,30.81 58.83,30.81 v2(57.96,31.67)
  BOTTOM w0.152: RN1.7 57.67,32.01 57.96,31.72 57.96,31.67 v2(57.96,31.67)
DDR3_1_A10: length 13.6
  TOP w0.127: U7.L7 v2(60.83,27.39)
  ART03 w0.127: v2(60.83,27.39) 60.42,27.8 60.42,29.22 60.2,29.45 58.53,29.45 57.89,30.1 52.77,30.1 v2(52.34,30.53)
  BOTTOM w0.152: RN4.7 51.07,31.84 52.34,30.57 v2(52.34,30.53)
DDR3_1_A11: length 12
  TOP w0.127: U7.R7 v2(64.03,27.39)